# KiCad board panel.kicad_pcb (continued)
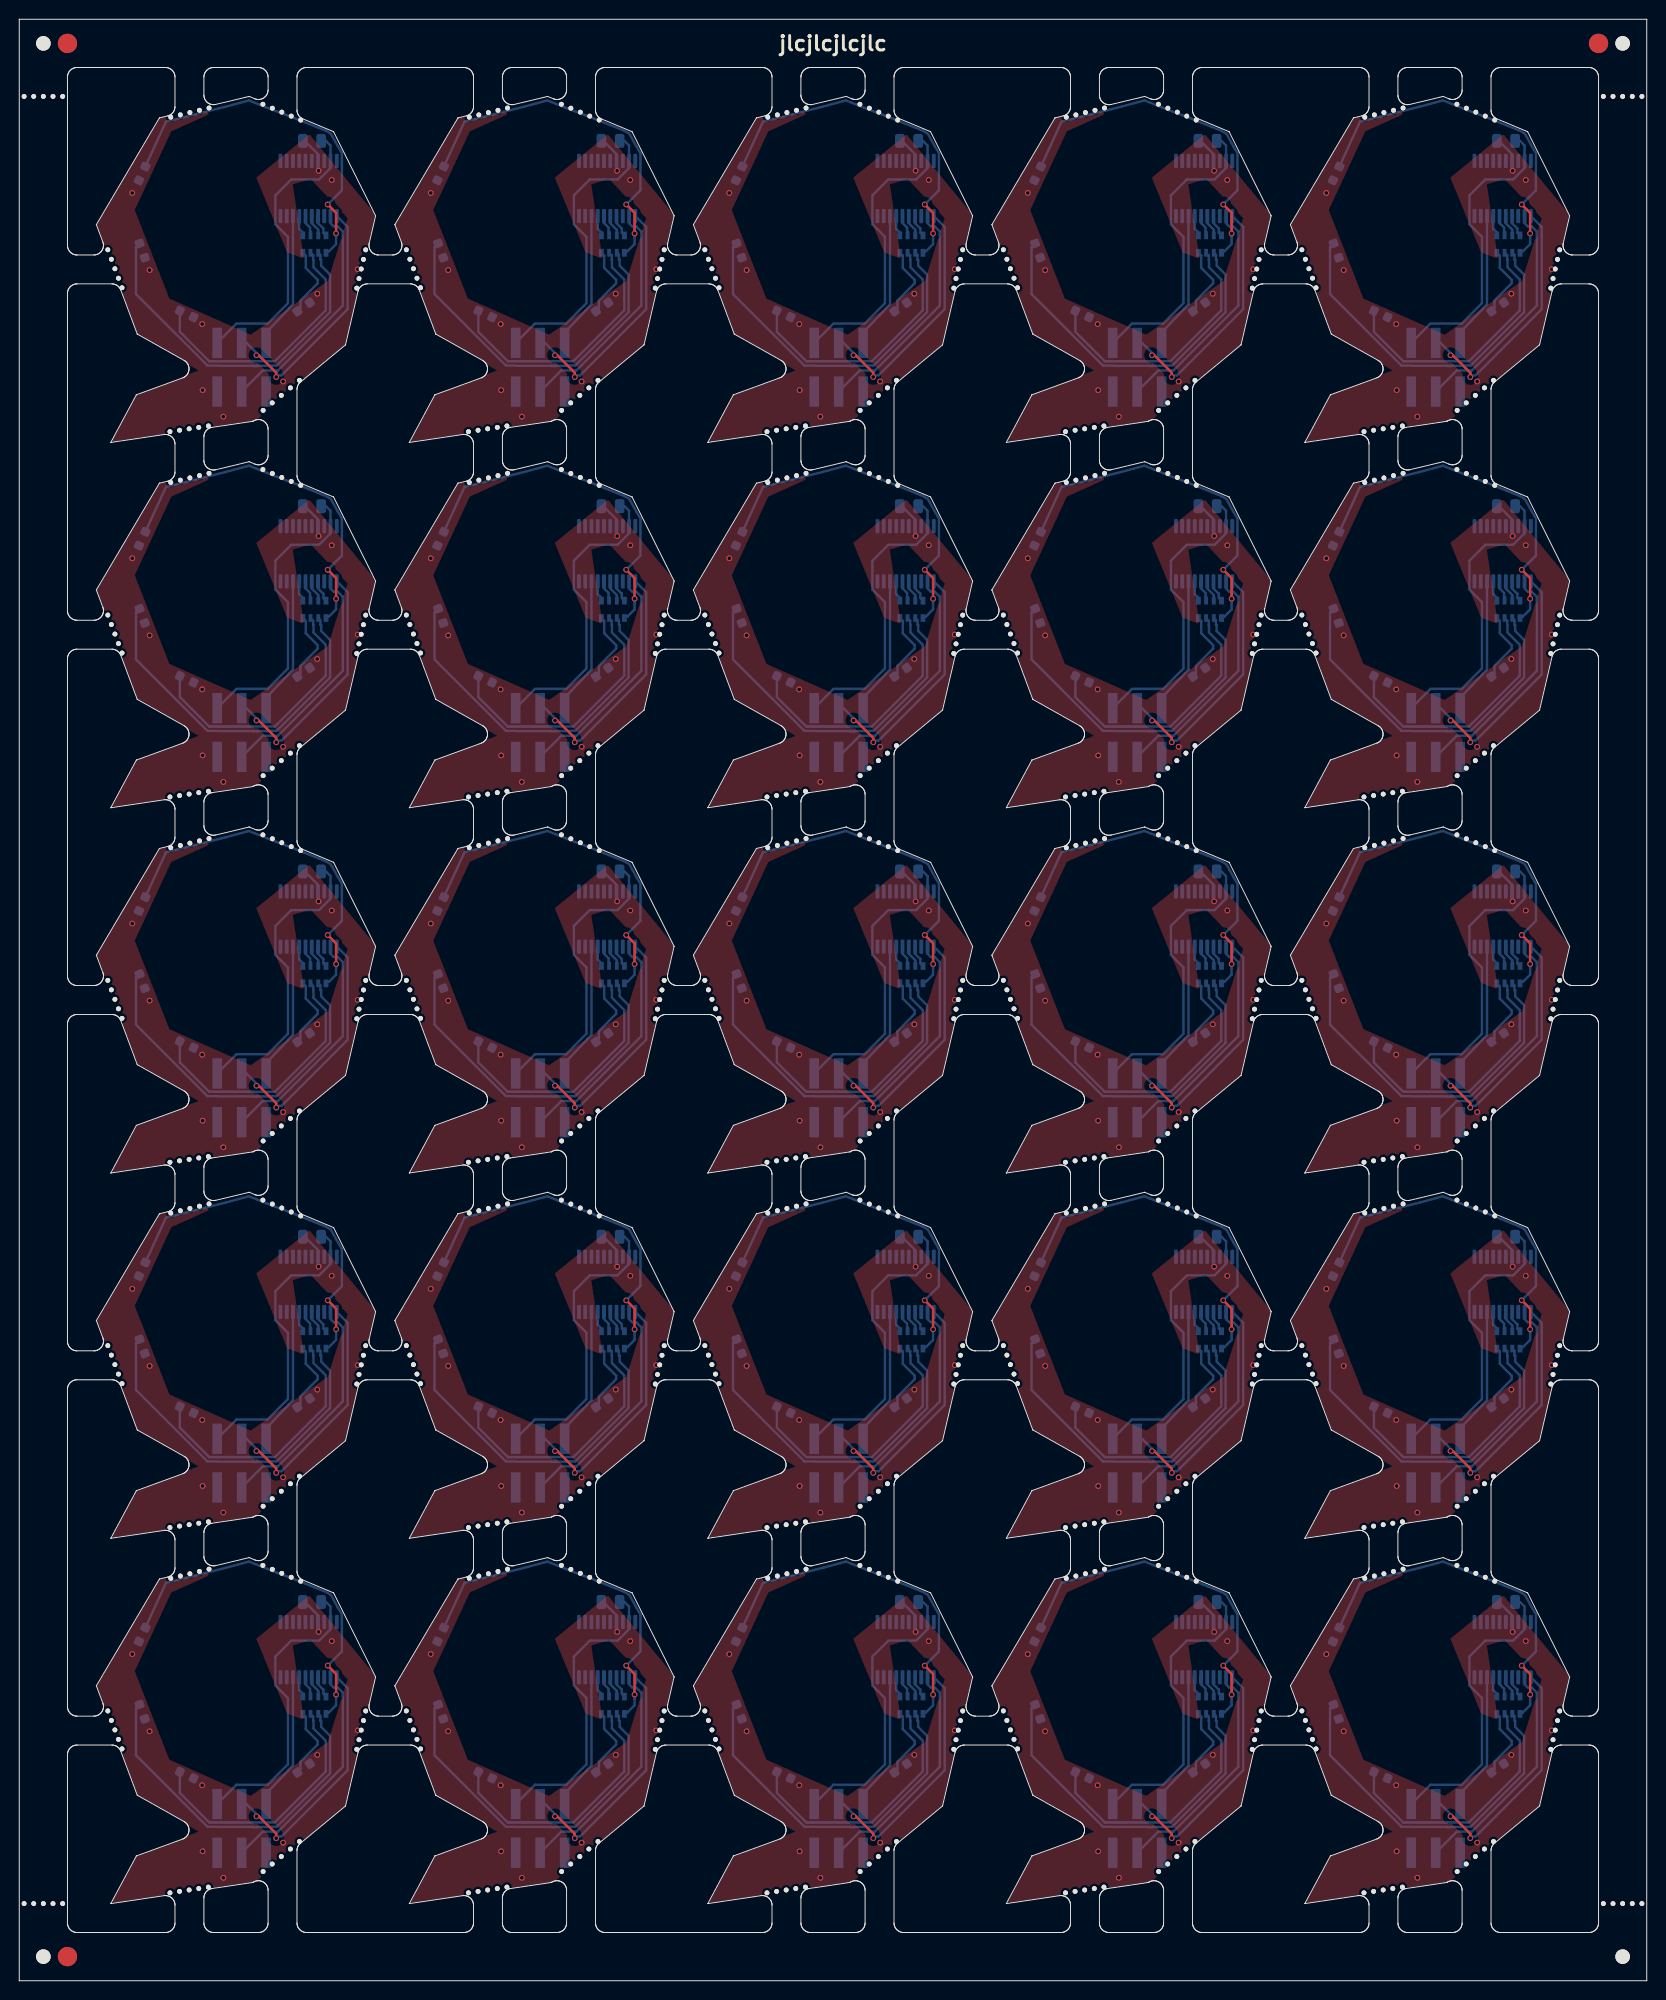
[diagram p0: board, top side]
## Routing (per net, layer and track width the routed paths; a pad name or vN(x,y) marks a point on that pad's centre or on a via; arc(x,y) is an arc through that point) (continued)
Board_20-A: length 2.4
  Bottom w0.25: U1#3.14 31,30.74 31.54,30.2 31.55,30.2 31.55,29.75 RN1#21.8
Board_20-B: length 2.3
  Bottom w0.25: U1#3.15 30.35,30.74 31.03,30.06 RN1#21.7
Board_20-C: length 2.2
  Bottom w0.25: RN1#21.6 30.23,29.87 30.18,29.92 30.18,30.27 29.7,30.75 U1#3.16
Board_20-D: length 2.2
  Bottom w0.25: U1#3.17 29.05,30.15 29.43,29.77 RN1#21.5
Board_20-Net-(D2-A): length 37.3
  Top w0.25: v1(32.01,32.68) 32.88,31.81 v1(32.88,29.67)
  Bottom w0.25: D2#4.2 15.23,41.27 21.43,42.82 23.83,43.47 26.33,42.47 28.33,41.72 31.82,40.32 32.33,40.02 33.08,38.67 33.48,38.02 33.48,34.15 v1(32.01,32.68) ; v1(32.88,29.67) 32.88,28.57 32.13,27.82 31.98,27.82 RN1#21.1
Board_20-Net-(D4-A): length 37.6
  Bottom w0.25: 20.63,15.95 24.27,15.95 24.29,15.92 24.66,15.92 24.69,15.95 25.73,15.95 25.75,15.97 26.71,15.97 32.25,21.51 32.25,25.4 31.33,26.32 31.33,26.95 31.25,26.95 31.25,27.45 RN1#21.2 ; 20.58,15.97 19.52,15.97 12.11,23.38 12.11,28.27 D4#22.2
Board_20-Net-(D6-A): length 31.9
  Bottom w0.25: RN1#21.3 30.5,27.4 30.5,26.95 30.53,26.95 30.53,26.17 31.8,24.9 31.8,21.7 26.53,16.42 24.23,16.42 ; 19.71,16.42 16.66,19.47 D6#19.2 ; 19.71,16.42 24.23,16.42 ; 19.71,16.42 24.23,16.42
Board_20-Net-(D8-A): length 7.6
  Bottom w0.25: RN1#21.4 29.73,27.37 29.73,26.1 30.96,24.86 30.96,24.5 29.17,22.71 29.17,21.91 D8#12.2
Board_20-SCL: length 24.2
  Bottom w0.25: J1#8.4 25.27,15.46 26.84,15.46 33.58,22.2 33.58,29.87 33.04,30.41 32.63,30.41 32.3,30.74 U1#3.12
Board_20-SDA: length 27
  Top w0.25: v1(24.62,17.05) 24.85,17.05 26.67,15.23 v1(26.67,14.79)
  Bottom w0.25: U1#3.11 34.08,30.35 34.08,21.82 27.21,14.96 26.84,14.96 v1(26.67,14.79) ; 23.08,19.4 J1#8.3 23.58,18.32 24.62,17.28 v1(24.62,17.05)
Board_20-SWIO: length 14.3
  Bottom w0.25: J1#8.5 25.62,19.4 27.93,21.82 27.99,21.91 28.4,22.32 U1#3.18
Board_20-VCC: length 31.2
  Bottom w0.25: J1#8.1 22.54,20.32 25.76,20.32 27.88,22.44 27.88,29.32 26.58,30.62 26.58,33.62 28.23,35.27 31.11,35.27 32.3,36.46 U1#3.9 32.3,38.8 31.83,39.27 C1.2
Board_20-VSS: length 3.9
  Bottom w0.25: v1(31.06,36.18) 31,36.24 U1#3.7 31,37.9 29.63,39.27 C1.1
  vias: v1(11.73,33.87) v1(13.53,25.87) v1(18.98,20.27) v1(19.03,13.42) v1(21.18,10.67) v1(27.38,14.32) v1(30.93,23.42) v1(32.43,35.22) v1(35.13,25.96)
Board_21-A: length 2.4
  Bottom w0.25: U1#24.14 61.98,30.74 62.52,30.2 62.53,30.2 62.53,29.75 RN1#4.8
Board_21-B: length 2.3
  Bottom w0.25: U1#24.15 61.33,30.74 62,30.06 RN1#4.7
Board_21-C: length 2.2
  Bottom w0.25: RN1#4.6 61.2,29.87 61.15,29.92 61.15,30.27 60.68,30.75 U1#24.16
Board_21-D: length 2.2
  Bottom w0.25: U1#24.17 60.03,30.15 60.4,29.77 RN1#4.5
Board_21-Net-(D2-A): length 37.3
  Top w0.25: v1(63.85,29.67) 63.85,31.81 v1(62.99,32.68)
  Bottom w0.25: v1(63.85,29.67) 63.85,28.57 63.1,27.82 62.95,27.82 RN1#4.1 ; D2#3.2 46.2,41.27 52.4,42.82 54.8,43.47 57.3,42.47 59.3,41.72 62.8,40.32 63.3,40.02 64.05,38.67 64.46,38.02 64.46,34.15 v1(62.99,32.68)
Board_21-Net-(D4-A): length 37.6
  Bottom w0.25: 51.6,15.95 55.24,15.95 55.27,15.92 55.64,15.92 55.67,15.95 56.71,15.95 56.73,15.97 57.69,15.97 63.23,21.51 63.23,25.4 62.3,26.32 62.3,26.95 62.23,26.95 62.23,27.45 RN1#4.2 ; 51.55,15.97 50.5,15.97 43.09,23.38 43.09,28.27 D4#15.2
Board_21-Net-(D6-A): length 31.9
  Bottom w0.25: 55.2,16.42 57.5,16.42 62.78,21.7 62.78,24.9 61.5,26.17 61.5,26.95 61.48,26.95 61.48,27.4 RN1#4.3 ; 55.2,16.42 50.69,16.42 ; 55.2,16.42 50.69,16.42 ; 50.69,16.42 47.64,19.47 D6.2
Board_21-Net-(D8-A): length 7.6
  Bottom w0.25: RN1#4.4 60.7,27.37 60.7,26.1 61.94,24.86 61.94,24.5 60.15,22.71 60.15,21.91 D8#11.2
Board_21-SCL: length 24.2
  Bottom w0.25: J1#2.4 56.24,15.46 57.82,15.46 64.55,22.2 64.55,29.87 64.02,30.41 63.61,30.41 63.28,30.74 U1#24.12
Board_21-SDA: length 27
  Top w0.25: v1(57.64,14.79) 57.64,15.23 55.83,17.05 v1(55.59,17.05)
  Bottom w0.25: v1(57.64,14.79) 57.82,14.96 58.19,14.96 65.05,21.82 65.05,30.35 U1#24.11 ; 54.05,19.4 J1#2.3 54.55,18.32 55.59,17.28 v1(55.59,17.05)
Board_21-SWIO: length 14.3
  Bottom w0.25: J1#2.5 56.59,19.4 58.9,21.82 58.96,21.91 59.38,22.32 U1#24.18
Board_21-VCC: length 31.2
  Bottom w0.25: J1#2.1 53.51,20.32 56.74,20.32 58.85,22.44 58.85,29.32 57.55,30.62 57.55,33.62 59.2,35.27 62.09,35.27 63.28,36.46 U1#24.9 63.28,38.8 62.8,39.27 C1#17.2
Board_21-VSS: length 3.9
  Bottom w0.25: C1#17.1 60.6,39.27 61.98,37.9 U1#24.7 61.98,36.24 v1(62.04,36.18)
  vias: v1(42.7,33.87) v1(44.5,25.87) v1(49.95,20.27) v1(50,13.42) v1(52.15,10.67) v1(58.35,14.32) v1(61.9,23.42) v1(63.4,35.22) v1(66.1,25.96)
Board_22-A: length 2.4
  Bottom w0.25: U1#8.14 92.96,30.74 93.49,30.2 93.51,30.2 93.51,29.75 RN1#5.8
Board_22-B: length 2.3
  Bottom w0.25: RN1#5.7 92.98,30.06 92.31,30.74 U1#8.15
Board_22-C: length 2.2
  Bottom w0.25: RN1#5.6 92.18,29.87 92.13,29.92 92.13,30.27 91.66,30.75 U1#8.16
Board_22-D: length 2.2
  Bottom w0.25: U1#8.17 91.01,30.15 91.38,29.77 RN1#5.5
Board_22-Net-(D2-A): length 37.3
  Top w0.25: v1(93.96,32.68) 94.83,31.81 v1(94.83,29.67)
  Bottom w0.25: D2.2 77.18,41.27 83.38,42.82 85.78,43.47 88.28,42.47 90.28,41.72 93.78,40.32 94.28,40.02 95.03,38.67 95.43,38.02 95.43,34.15 v1(93.96,32.68) ; v1(94.83,29.67) 94.83,28.57 94.08,27.82 93.93,27.82 RN1#5.1
Board_22-Net-(D4-A): length 37.6
  Bottom w0.25: RN1#5.2 93.21,27.45 93.21,26.95 93.28,26.95 93.28,26.32 94.21,25.4 94.21,21.51 88.67,15.97 87.71,15.97 87.68,15.95 86.64,15.95 86.62,15.92 86.25,15.92 86.22,15.95 82.58,15.95 ; 82.53,15.97 81.48,15.97 74.07,23.38 74.07,28.27 D4#3.2
Board_22-Net-(D6-A): length 31.9
  Bottom w0.25: 86.18,16.42 81.67,16.42 ; 86.18,16.42 81.67,16.42 ; 86.18,16.42 88.48,16.42 93.76,21.7 93.76,24.9 92.48,26.17 92.48,26.95 92.46,26.95 92.46,27.4 RN1#5.3 ; 81.67,16.42 78.62,19.47 D6#11.2
Board_22-Net-(D8-A): length 7.6
  Bottom w0.25: RN1#5.4 91.68,27.37 91.68,26.1 92.92,24.86 92.92,24.5 91.13,22.71 91.13,21.91 D8#4.2
Board_22-SCL: length 24.2
  Bottom w0.25: U1#8.12 94.26,30.74 94.58,30.41 95,30.41 95.53,29.87 95.53,22.2 88.79,15.46 87.22,15.46 J1#23.4
Board_22-SDA: length 27
  Top w0.25: v1(88.62,14.79) 88.62,15.23 86.81,17.05 v1(86.57,17.05)
  Bottom w0.25: U1#8.11 96.03,30.35 96.03,21.82 89.17,14.96 88.8,14.96 v1(88.62,14.79) ; v1(86.57,17.05) 86.57,17.28 85.53,18.32 J1#23.3 85.03,19.4
Board_22-SWIO: length 14.3
  Bottom w0.25: J1#23.5 87.57,19.4 89.88,21.82 89.94,21.91 90.36,22.32 U1#8.18
Board_22-VCC: length 31.2
  Bottom w0.25: J1#23.1 84.49,20.32 87.72,20.32 89.83,22.44 89.83,29.32 88.53,30.62 88.53,33.62 90.18,35.27 93.07,35.27 94.26,36.46 U1#8.9 94.26,38.8 93.78,39.27 C1#9.2
Board_22-VSS: length 3.9
  Bottom w0.25: v1(93.02,36.18) 92.96,36.24 U1#8.7 92.96,37.9 91.58,39.27 C1#9.1
  vias: v1(73.68,33.87) v1(75.48,25.87) v1(80.93,20.27) v1(80.98,13.42) v1(83.13,10.67) v1(89.33,14.32) v1(92.88,23.42) v1(94.38,35.22) v1(97.08,25.96)
Board_23-A: length 2.4
  Bottom w0.25: U1#6.14 123.93,30.74 124.47,30.2 124.49,30.2 124.49,29.75 RN1#23.8
Board_23-B: length 2.3
  Bottom w0.25: RN1#23.7 123.96,30.06 123.28,30.74 U1#6.15
Board_23-C: length 2.2
  Bottom w0.25: RN1#23.6 123.16,29.87 123.11,29.92 123.11,30.27 122.63,30.75 U1#6.16
Board_23-D: length 2.2
  Bottom w0.25: RN1#23.5 122.36,29.77 121.98,30.15 U1#6.17
Board_23-Net-(D2-A): length 37.3
  Top w0.25: v1(124.94,32.68) 125.81,31.81 v1(125.81,29.67)
  Bottom w0.25: RN1#23.1 124.91,27.82 125.06,27.82 125.81,28.57 v1(125.81,29.67) ; D2#7.2 108.16,41.27 114.36,42.82 116.76,43.47 119.26,42.47 121.26,41.72 124.76,40.32 125.26,40.02 126.01,38.67 126.41,38.02 126.41,34.15 v1(124.94,32.68)
Board_23-Net-(D4-A): length 37.6
  Bottom w0.25: D4#21.2 105.04,28.27 105.04,23.38 112.46,15.97 113.51,15.97 ; RN1#23.2 124.18,27.45 124.18,26.95 124.26,26.95 124.26,26.32 125.18,25.4 125.18,21.51 119.64,15.97 118.69,15.97 118.66,15.95 117.62,15.95 117.6,15.92 117.22,15.92 117.2,15.95 113.56,15.95
Board_23-Net-(D6-A): length 31.9
  Bottom w0.25: 112.64,16.42 109.6,19.47 D6#21.2 ; 112.64,16.42 117.16,16.42 ; 112.64,16.42 117.16,16.42 ; 117.16,16.42 119.46,16.42 124.73,21.7 124.73,24.9 123.46,26.17 123.46,26.95 123.43,26.95 123.43,27.4 RN1#23.3
Board_23-Net-(D8-A): length 7.6
  Bottom w0.25: RN1#23.4 122.66,27.37 122.66,26.1 123.9,24.86 123.9,24.5 122.1,22.71 122.1,21.91 D8#15.2
Board_23-SCL: length 24.2
  Bottom w0.25: U1#6.12 125.23,30.74 125.56,30.41 125.97,30.41 126.51,29.87 126.51,22.2 119.77,15.46 118.2,15.46 J1#3.4
Board_23-SDA: length 27
  Top w0.25: v1(117.55,17.05) 117.79,17.05 119.6,15.23 v1(119.6,14.79)
  Bottom w0.25: v1(119.6,14.79) 119.77,14.96 120.15,14.96 127.01,21.82 127.01,30.35 U1#6.11 ; v1(117.55,17.05) 117.55,17.28 116.51,18.32 J1#3.3 116.01,19.4
Board_23-SWIO: length 14.3
  Bottom w0.25: J1#3.5 118.55,19.4 120.86,21.82 120.92,21.91 121.33,22.32 U1#6.18
Board_23-VCC: length 31.2
  Bottom w0.25: J1#3.1 115.47,20.32 118.7,20.32 120.81,22.44 120.81,29.32 119.51,30.62 119.51,33.62 121.16,35.27 124.05,35.27 125.23,36.46 U1#6.9 125.23,38.8 124.76,39.27 C1#8.2
Board_23-VSS: length 3.9
  Bottom w0.25: v1(124,36.18) 123.93,36.24 U1#6.7 123.93,37.9 122.56,39.27 C1#8.1
  vias: v1(104.66,33.87) v1(106.46,25.87) v1(111.91,20.27) v1(111.96,13.42) v1(114.11,10.67) v1(120.31,14.32) v1(123.86,23.42) v1(125.36,35.22) v1(128.06,25.96)
Board_24-A: length 2.4
  Bottom w0.25: RN1#19.8 155.46,29.75 155.46,30.2 155.45,30.2 154.91,30.74 U1#2.14
Board_24-B: length 2.3
  Bottom w0.25: RN1#19.7 154.94,30.06 154.26,30.74 U1#2.15
Board_24-C: length 2.2
  Bottom w0.25: RN1#19.6 154.14,29.87 154.09,29.92 154.09,30.27 153.61,30.75 U1#2.16
Board_24-D: length 2.2
  Bottom w0.25: RN1#19.5 153.34,29.77 152.96,30.15 U1#2.17
Board_24-Net-(D2-A): length 37.3
  Top w0.25: v1(156.79,29.67) 156.79,31.81 v1(155.92,32.68)
  Bottom w0.25: v1(156.79,29.67) 156.79,28.57 156.04,27.82 155.89,27.82 RN1#19.1 ; D2#15.2 139.14,41.27 145.34,42.82 147.74,43.47 150.24,42.47 152.24,41.72 155.73,40.32 156.24,40.02 156.99,38.67 157.39,38.02 157.39,34.15 v1(155.92,32.68)
Board_24-Net-(D4-A): length 37.6
  Bottom w0.25: D4#2.2 136.02,28.27 136.02,23.38 143.43,15.97 144.49,15.97 ; 144.54,15.95 148.18,15.95 148.2,15.92 148.57,15.92 148.6,15.95 149.64,15.95 149.66,15.97 150.62,15.97 156.16,21.51 156.16,25.4 155.24,26.32 155.24,26.95 155.16,26.95 155.16,27.45 RN1#19.2
Board_24-Net-(D6-A): length 31.9
  Bottom w0.25: 148.14,16.42 143.62,16.42 ; 148.14,16.42 143.62,16.42 ; 148.14,16.42 150.44,16.42 155.71,21.7 155.71,24.9 154.44,26.17 154.44,26.95 154.41,26.95 154.41,27.4 RN1#19.3 ; D6#17.2 140.57,19.47 143.62,16.42
Board_24-Net-(D8-A): length 7.6
  Bottom w0.25: D8#16.2 153.08,21.91 153.08,22.71 154.87,24.5 154.87,24.86 153.64,26.1 153.64,27.37 RN1#19.4
Board_24-SCL: length 24.2
  Bottom w0.25: J1#12.4 149.18,15.46 150.75,15.46 157.49,22.2 157.49,29.87 156.95,30.41 156.54,30.41 156.21,30.74 U1#2.12
Board_24-SDA: length 27
  Top w0.25: v1(150.58,14.79) 150.58,15.23 148.76,17.05 v1(148.53,17.05)
  Bottom w0.25: v1(148.53,17.05) 148.53,17.28 147.49,18.32 J1#12.3 146.99,19.4 ; U1#2.11 157.99,30.35 157.99,21.82 151.12,14.96 150.75,14.96 v1(150.58,14.79)
Board_24-SWIO: length 14.3
  Bottom w0.25: J1#12.5 149.53,19.4 151.84,21.82 151.9,21.91 152.31,22.32 U1#2.18
Board_24-VCC: length 31.2
  Bottom w0.25: C1#19.2 155.74,39.27 156.21,38.8 U1#2.9 156.21,36.46 155.02,35.27 152.14,35.27 150.49,33.62 150.49,30.62 151.79,29.32 151.79,22.44 149.67,20.32 146.45,20.32 J1#12.1
Board_24-VSS: length 3.9
  Bottom w0.25: C1#19.1 153.54,39.27 154.91,37.9 U1#2.7 154.91,36.24 v1(154.97,36.18)
  vias: v1(135.64,33.87) v1(137.44,25.87) v1(142.89,20.27) v1(142.94,13.42) v1(145.09,10.67) v1(151.29,14.32) v1(154.84,23.42) v1(156.34,35.22) v1(159.04,25.96)

## Copper pours and planes (outline as drawn; the poured copper is in the pictures)
Board_0-VCC on Bottom: 34.38,182.88 36.96,182.97 33.86,169.68 24.26,161.73 9.51,159.55 12.15,164.49 18.99,166.98 12.24,170.79 8,182.14 14.55,193.2 23.3,195.31 15.58,192 11.71,183.67 15.37,174.27 24.06,170.36 32.21,176.08
Board_0-VSS on Top, Bottom: 23.88,195.47 14.48,193.3 7.87,182.13 12.14,170.77 18.61,167.01 12.13,164.56 9.32,159.4 24.31,161.63 33.93,169.55 37.1,183.01 30.1,191.5 24.59,187.02 27.8,179.25 29.54,178.6 28.38,186.31 30.22,186.89 34.07,182.8 32.02,176.28 24.01,170.72 15.58,174.46 11.98,183.65 15.78,191.81
Board_1-VCC on Bottom: 65.35,182.88 67.93,182.97 64.83,169.68 55.23,161.73 40.48,159.55 43.12,164.49 49.96,166.98 43.21,170.79 38.97,182.14 45.52,193.2 54.27,195.31 46.55,192 42.68,183.67 46.34,174.27 55.03,170.36 63.18,176.08
Board_1-VSS on Top, Bottom: 54.86,195.47 45.46,193.3 38.85,182.13 43.12,170.77 49.58,167.01 43.11,164.56 40.29,159.4 55.28,161.63 64.91,169.55 68.07,183.01 61.08,191.5 55.57,187.02 58.77,179.25 60.52,178.6 59.36,186.31 61.19,186.89 65.05,182.8 63,176.28 54.98,170.72 46.55,174.46 42.96,183.65 46.75,191.81
Board_2-VCC on Bottom: 96.33,182.88 98.91,182.97 95.81,169.68 86.21,161.73 71.46,159.55 74.1,164.49 80.94,166.98 74.19,170.79 69.95,182.14 76.5,193.2 85.25,195.31 77.53,192 73.66,183.67 77.32,174.27 86.01,170.36 94.16,176.08
Board_2-VSS on Top, Bottom: 85.83,195.47 76.43,193.3 69.83,182.13 74.09,170.77 80.56,167.01 74.09,164.56 71.27,159.4 86.26,161.63 95.89,169.55 99.05,183.01 92.06,191.5 86.55,187.02 89.75,179.25 91.49,178.6 90.34,186.31 92.17,186.89 96.03,182.8 93.98,176.28 85.96,170.72 77.53,174.46 73.94,183.65 77.73,191.81
Board_3-VCC on Bottom: 127.31,182.88 129.89,182.97 126.79,169.68 117.19,161.73 102.44,159.55 105.08,164.49 111.92,166.98 105.17,170.79 100.93,182.14 107.48,193.2 116.23,195.31 108.51,192 104.64,183.67 108.3,174.27 116.99,170.36 125.14,176.08
Board_3-VSS on Top, Bottom: 116.81,195.47 107.41,193.3 100.81,182.13 105.07,170.77 111.54,167.01 105.07,164.56 102.25,159.4 117.24,161.63 126.87,169.55 130.03,183.01 123.04,191.5 117.53,187.02 120.73,179.25 122.47,178.6 121.31,186.31 123.15,186.89 127,182.8 124.95,176.28 116.94,170.72 108.51,174.46 104.91,183.65 108.71,191.81
Board_4-VCC on Bottom: 158.29,182.88 160.87,182.97 157.77,169.68 148.17,161.73 133.42,159.55 136.06,164.49 142.9,166.98 136.15,170.79 131.91,182.14 138.46,193.2 147.21,195.31 139.49,192 135.62,183.67 139.28,174.27 147.97,170.36 156.12,176.08
Board_4-VSS on Top, Bottom: 147.79,195.47 138.39,193.3 131.78,182.13 136.05,170.77 142.52,167.01 136.04,164.56 133.23,159.4 148.21,161.63 157.84,169.55 161.01,183.01 154.01,191.5 148.5,187.02 151.71,179.25 153.45,178.6 152.29,186.31 154.13,186.89 157.98,182.8 155.93,176.28 147.92,170.72 139.49,174.46 135.89,183.65 139.69,191.81
Board_5-VCC on Bottom: 34.38,144.99 36.96,145.08 33.86,131.79 24.26,123.84 9.51,121.66 12.15,126.6 18.99,129.09 12.24,132.9 8,144.25 14.55,155.31 23.3,157.42 15.58,154.11 11.71,145.78 15.37,136.38 24.06,132.47 32.21,138.19
Board_5-VSS on Top, Bottom: 23.88,157.58 14.48,155.41 7.87,144.24 12.14,132.88 18.61,129.12 12.13,126.68 9.32,121.51 24.31,123.74 33.93,131.67 37.1,145.13 30.1,153.61 24.59,149.13 27.8,141.36 29.54,140.72 28.38,148.43 30.22,149 34.07,144.91 32.02,138.39 24.01,132.83 15.58,136.57 11.98,145.76 15.78,153.93
Board_6-VCC on Bottom: 65.35,144.99 67.93,145.08 64.83,131.79 55.23,123.84 40.48,121.66 43.12,126.6 49.96,129.09 43.21,132.9 38.97,144.25 45.52,155.31 54.27,157.42 46.55,154.11 42.68,145.78 46.34,136.38 55.03,132.47 63.18,138.19
Board_6-VSS on Top, Bottom: 54.86,157.58 45.46,155.41 38.85,144.24 43.12,132.88 49.58,129.12 43.11,126.68 40.29,121.51 55.28,123.74 64.91,131.67 68.07,145.13 61.08,153.61 55.57,149.13 58.77,141.36 60.52,140.72 59.36,148.43 61.19,149 65.05,144.91 63,138.39 54.98,132.83 46.55,136.57 42.96,145.76 46.75,153.93
Board_7-VCC on Bottom: 96.33,144.99 98.91,145.08 95.81,131.79 86.21,123.84 71.46,121.66 74.1,126.6 80.94,129.09 74.19,132.9 69.95,144.25 76.5,155.31 85.25,157.42 77.53,154.11 73.66,145.78 77.32,136.38 86.01,132.47 94.16,138.19
Board_7-VSS on Top, Bottom: 85.83,157.58 76.43,155.41 69.83,144.24 74.09,132.88 80.56,129.12 74.09,126.68 71.27,121.51 86.26,123.74 95.89,131.67 99.05,145.13 92.06,153.61 86.55,149.13 89.75,141.36 91.49,140.72 90.34,148.43 92.17,149 96.03,144.91 93.98,138.39 85.96,132.83 77.53,136.57 73.94,145.76 77.73,153.93
Board_8-VCC on Bottom: 127.31,144.99 129.89,145.08 126.79,131.79 117.19,123.84 102.44,121.66 105.08,126.6 111.92,129.09 105.17,132.9 100.93,144.25 107.48,155.31 116.23,157.42 108.51,154.11 104.64,145.78 108.3,136.38 116.99,132.47 125.14,138.19
Board_8-VSS on Top, Bottom: 116.81,157.58 107.41,155.41 100.81,144.24 105.07,132.88 111.54,129.12 105.07,126.68 102.25,121.51 117.24,123.74 126.87,131.67 130.03,145.13 123.04,153.61 117.53,149.13 120.73,141.36 122.47,140.72 121.31,148.43 123.15,149 127,144.91 124.95,138.39 116.94,132.83 108.51,136.57 104.91,145.76 108.71,153.93
Board_9-VCC on Bottom: 158.29,144.99 160.87,145.08 157.77,131.79 148.17,123.84 133.42,121.66 136.06,126.6 142.9,129.09 136.15,132.9 131.91,144.25 138.46,155.31 147.21,157.42 139.49,154.11 135.62,145.78 139.28,136.38 147.97,132.47 156.12,138.19
Board_9-VSS on Top, Bottom: 147.79,157.58 138.39,155.41 131.78,144.24 136.05,132.88 142.52,129.12 136.04,126.68 133.23,121.51 148.21,123.74 157.84,131.67 161.01,145.13 154.01,153.61 148.5,149.13 151.71,141.36 153.45,140.72 152.29,148.43 154.13,149 157.98,144.91 155.93,138.39 147.92,132.83 139.49,136.57 135.89,145.76 139.69,153.93
Board_10-VCC on Bottom: 34.38,107.11 36.96,107.2 33.86,93.91 24.26,85.96 9.51,83.78 12.15,88.72 18.99,91.21 12.24,95.02 8,106.37 14.55,117.43 23.3,119.54 15.58,116.23 11.71,107.9 15.37,98.5 24.06,94.59 32.21,100.31
Board_10-VSS on Top, Bottom: 23.88,119.7 14.48,117.53 7.87,106.35 12.14,94.99 18.61,91.23 12.13,88.79 9.32,83.62 24.31,85.85 33.93,93.78 37.1,107.24 30.1,115.73 24.59,111.24 27.8,103.48 29.54,102.83 28.38,110.54 30.22,111.11 34.07,107.03 32.02,100.51 24.01,94.95 15.58,98.69 11.98,107.87 15.78,116.04
Board_11-VCC on Bottom: 65.35,107.11 67.93,107.2 64.83,93.91 55.23,85.96 40.48,83.78 43.12,88.72 49.96,91.21 43.21,95.02 38.97,106.37 45.52,117.43 54.27,119.54 46.55,116.23 42.68,107.9 46.34,98.5 55.03,94.59 63.18,100.31
Board_11-VSS on Top, Bottom: 54.86,119.7 45.46,117.53 38.85,106.35 43.12,94.99 49.58,91.23 43.11,88.79 40.29,83.62 55.28,85.85 64.91,93.78 68.07,107.24 61.08,115.73 55.57,111.24 58.77,103.48 60.52,102.83 59.36,110.54 61.19,111.11 65.05,107.03 63,100.51 54.98,94.95 46.55,98.69 42.96,107.87 46.75,116.04
Board_12-VCC on Bottom: 96.33,107.11 98.91,107.2 95.81,93.91 86.21,85.96 71.46,83.78 74.1,88.72 80.94,91.21 74.19,95.02 69.95,106.37 76.5,117.43 85.25,119.54 77.53,116.23 73.66,107.9 77.32,98.5 86.01,94.59 94.16,100.31
Board_12-VSS on Top, Bottom: 85.83,119.7 76.43,117.53 69.83,106.35 74.09,94.99 80.56,91.23 74.09,88.79 71.27,83.62 86.26,85.85 95.89,93.78 99.05,107.24 92.06,115.73 86.55,111.24 89.75,103.48 91.49,102.83 90.34,110.54 92.17,111.11 96.03,107.03 93.98,100.51 85.96,94.95 77.53,98.69 73.94,107.87 77.73,116.04
Board_13-VCC on Bottom: 127.31,107.11 129.89,107.2 126.79,93.91 117.19,85.96 102.44,83.78 105.08,88.72 111.92,91.21 105.17,95.02 100.93,106.37 107.48,117.43 116.23,119.54 108.51,116.23 104.64,107.9 108.3,98.5 116.99,94.59 125.14,100.31
Board_13-VSS on Top, Bottom: 116.81,119.7 107.41,117.53 100.81,106.35 105.07,94.99 111.54,91.23 105.07,88.79 102.25,83.62 117.24,85.85 126.87,93.78 130.03,107.24 123.04,115.73 117.53,111.24 120.73,103.48 122.47,102.83 121.31,110.54 123.15,111.11 127,107.03 124.95,100.51 116.94,94.95 108.51,98.69 104.91,107.87 108.71,116.04
Board_14-VCC on Bottom: 158.29,107.11 160.87,107.2 157.77,93.91 148.17,85.96 133.42,83.78 136.06,88.72 142.9,91.21 136.15,95.02 131.91,106.37 138.46,117.43 147.21,119.54 139.49,116.23 135.62,107.9 139.28,98.5 147.97,94.59 156.12,100.31
Board_14-VSS on Top, Bottom: 147.79,119.7 138.39,117.53 131.78,106.35 136.05,94.99 142.52,91.23 136.04,88.79 133.23,83.62 148.21,85.85 157.84,93.78 161.01,107.24 154.01,115.73 148.5,111.24 151.71,103.48 153.45,102.83 152.29,110.54 154.13,111.11 157.98,107.03 155.93,100.51 147.92,94.95 139.49,98.69 135.89,107.87 139.69,116.04
Board_15-VCC on Bottom: 34.38,69.22 36.96,69.31 33.86,56.02 24.26,48.07 9.51,45.89 12.15,50.83 18.99,53.32 12.24,57.13 8,68.48 14.55,79.54 23.3,81.65 15.58,78.34 11.71,70.01 15.37,60.61 24.06,56.7 32.21,62.42
Board_15-VSS on Top, Bottom: 23.88,81.81 14.48,79.64 7.87,68.47 12.14,57.11 18.61,53.35 12.13,50.91 9.32,45.74 24.31,47.97 33.93,55.89 37.1,69.35 30.1,77.84 24.59,73.36 27.8,65.59 29.54,64.94 28.38,72.65 30.22,73.23 34.07,69.14 32.02,62.62 24.01,57.06 15.58,60.8 11.98,69.99 15.78,78.15
Board_16-VCC on Bottom: 65.35,69.22 67.93,69.31 64.83,56.02 55.23,48.07 40.48,45.89 43.12,50.83 49.96,53.32 43.21,57.13 38.97,68.48 45.52,79.54 54.27,81.65 46.55,78.34 42.68,70.01 46.34,60.61 55.03,56.7 63.18,62.42
Board_16-VSS on Top, Bottom: 54.86,81.81 45.46,79.64 38.85,68.47 43.12,57.11 49.58,53.35 43.11,50.91 40.29,45.74 55.28,47.97 64.91,55.89 68.07,69.35 61.08,77.84 55.57,73.36 58.77,65.59 60.52,64.94 59.36,72.65 61.19,73.23 65.05,69.14 63,62.62 54.98,57.06 46.55,60.8 42.96,69.99 46.75,78.15
Board_17-VCC on Bottom: 96.33,69.22 98.91,69.31 95.81,56.02 86.21,48.07 71.46,45.89 74.1,50.83 80.94,53.32 74.19,57.13 69.95,68.48 76.5,79.54 85.25,81.65 77.53,78.34 73.66,70.01 77.32,60.61 86.01,56.7 94.16,62.42
Board_17-VSS on Top, Bottom: 85.83,81.81 76.43,79.64 69.83,68.47 74.09,57.11 80.56,53.35 74.09,50.91 71.27,45.74 86.26,47.97 95.89,55.89 99.05,69.35 92.06,77.84 86.55,73.36 89.75,65.59 91.49,64.94 90.34,72.65 92.17,73.23 96.03,69.14 93.98,62.62 85.96,57.06 77.53,60.8 73.94,69.99 77.73,78.15
Board_18-VCC on Bottom: 127.31,69.22 129.89,69.31 126.79,56.02 117.19,48.07 102.44,45.89 105.08,50.83 111.92,53.32 105.17,57.13 100.93,68.48 107.48,79.54 116.23,81.65 108.51,78.34 104.64,70.01 108.3,60.61 116.99,56.7 125.14,62.42
Board_18-VSS on Top, Bottom: 116.81,81.81 107.41,79.64 100.81,68.47 105.07,57.11 111.54,53.35 105.07,50.91 102.25,45.74 117.24,47.97 126.87,55.89 130.03,69.35 123.04,77.84 117.53,73.36 120.73,65.59 122.47,64.94 121.31,72.65 123.15,73.23 127,69.14 124.95,62.62 116.94,57.06 108.51,60.8 104.91,69.99 108.71,78.15
Board_19-VCC on Bottom: 158.29,69.22 160.87,69.31 157.77,56.02 148.17,48.07 133.42,45.89 136.06,50.83 142.9,53.32 136.15,57.13 131.91,68.48 138.46,79.54 147.21,81.65 139.49,78.34 135.62,70.01 139.28,60.61 147.97,56.7 156.12,62.42
Board_19-VSS on Top, Bottom: 147.79,81.81 138.39,79.64 131.78,68.47 136.05,57.11 142.52,53.35 136.04,50.91 133.23,45.74 148.21,47.97 157.84,55.89 161.01,69.35 154.01,77.84 148.5,73.36 151.71,65.59 153.45,64.94 152.29,72.65 154.13,73.23 157.98,69.14 155.93,62.62 147.92,57.06 139.49,60.8 135.89,69.99 139.69,78.15
Board_20-VCC on Bottom: 34.38,31.33 36.96,31.42 33.86,18.13 24.26,10.18 9.51,8 12.15,12.94 18.99,15.43 12.24,19.24 8,30.59 14.55,41.65 23.3,43.76 15.58,40.45 11.71,32.12 15.37,22.72 24.06,18.81 32.21,24.53
Board_20-VSS on Top, Bottom: 23.88,43.92 14.48,41.76 7.87,30.58 12.14,19.22 18.61,15.46 12.13,13.02 9.32,7.85 24.31,10.08 33.93,18.01 37.1,31.47 30.1,39.95 24.59,35.47 27.8,27.71 29.54,27.06 28.38,34.77 30.22,35.34 34.07,31.26 32.02,24.74 24.01,19.17 15.58,22.92 11.98,32.1 15.78,40.27
Board_21-VCC on Bottom: 65.35,31.33 67.93,31.42 64.83,18.13 55.23,10.18 40.48,8 43.12,12.94 49.96,15.43 43.21,19.24 38.97,30.59 45.52,41.65 54.27,43.76 46.55,40.45 42.68,32.12 46.34,22.72 55.03,18.81 63.18,24.53
Board_21-VSS on Top, Bottom: 54.86,43.92 45.46,41.76 38.85,30.58 43.12,19.22 49.58,15.46 43.11,13.02 40.29,7.85 55.28,10.08 64.91,18.01 68.07,31.47 61.08,39.95 55.57,35.47 58.77,27.71 60.52,27.06 59.36,34.77 61.19,35.34 65.05,31.26 63,24.74 54.98,19.17 46.55,22.92 42.96,32.1 46.75,40.27
Board_22-VCC on Bottom: 96.33,31.33 98.91,31.42 95.81,18.13 86.21,10.18 71.46,8 74.1,12.94 80.94,15.43 74.19,19.24 69.95,30.59 76.5,41.65 85.25,43.76 77.53,40.45 73.66,32.12 77.32,22.72 86.01,18.81 94.16,24.53
Board_22-VSS on Top, Bottom: 85.83,43.92 76.43,41.76 69.83,30.58 74.09,19.22 80.56,15.46 74.09,13.02 71.27,7.85 86.26,10.08 95.89,18.01 99.05,31.47 92.06,39.95 86.55,35.47 89.75,27.71 91.49,27.06 90.34,34.77 92.17,35.34 96.03,31.26 93.98,24.74 85.96,19.17 77.53,22.92 73.94,32.1 77.73,40.27
Board_23-VCC on Bottom: 127.31,31.33 129.89,31.42 126.79,18.13 117.19,10.18 102.44,8 105.08,12.94 111.92,15.43 105.17,19.24 100.93,30.59 107.48,41.65 116.23,43.76 108.51,40.45 104.64,32.12 108.3,22.72 116.99,18.81 125.14,24.53
Board_23-VSS on Top, Bottom: 116.81,43.92 107.41,41.76 100.81,30.58 105.07,19.22 111.54,15.46 105.07,13.02 102.25,7.85 117.24,10.08 126.87,18.01 130.03,31.47 123.04,39.95 117.53,35.47 120.73,27.71 122.47,27.06 121.31,34.77 123.15,35.34 127,31.26 124.95,24.74 116.94,19.17 108.51,22.92 104.91,32.1 108.71,40.27
Board_24-VCC on Bottom: 158.29,31.33 160.87,31.42 157.77,18.13 148.17,10.18 133.42,8 136.06,12.94 142.9,15.43 136.15,19.24 131.91,30.59 138.46,41.65 147.21,43.76 139.49,40.45 135.62,32.12 139.28,22.72 147.97,18.81 156.12,24.53
Board_24-VSS on Top, Bottom: 147.79,43.92 138.39,41.76 131.78,30.58 136.05,19.22 142.52,15.46 136.04,13.02 133.23,7.85 148.21,10.08 157.84,18.01 161.01,31.47 154.01,39.95 148.5,35.47 151.71,27.71 153.45,27.06 152.29,34.77 154.13,35.34 157.98,31.26 155.93,24.74 147.92,19.17 139.49,22.92 135.89,32.1 139.69,40.27
